# Altium PCB AudioBoxAmpV3-3.PcbDoc (part 2 of 2) (continued)
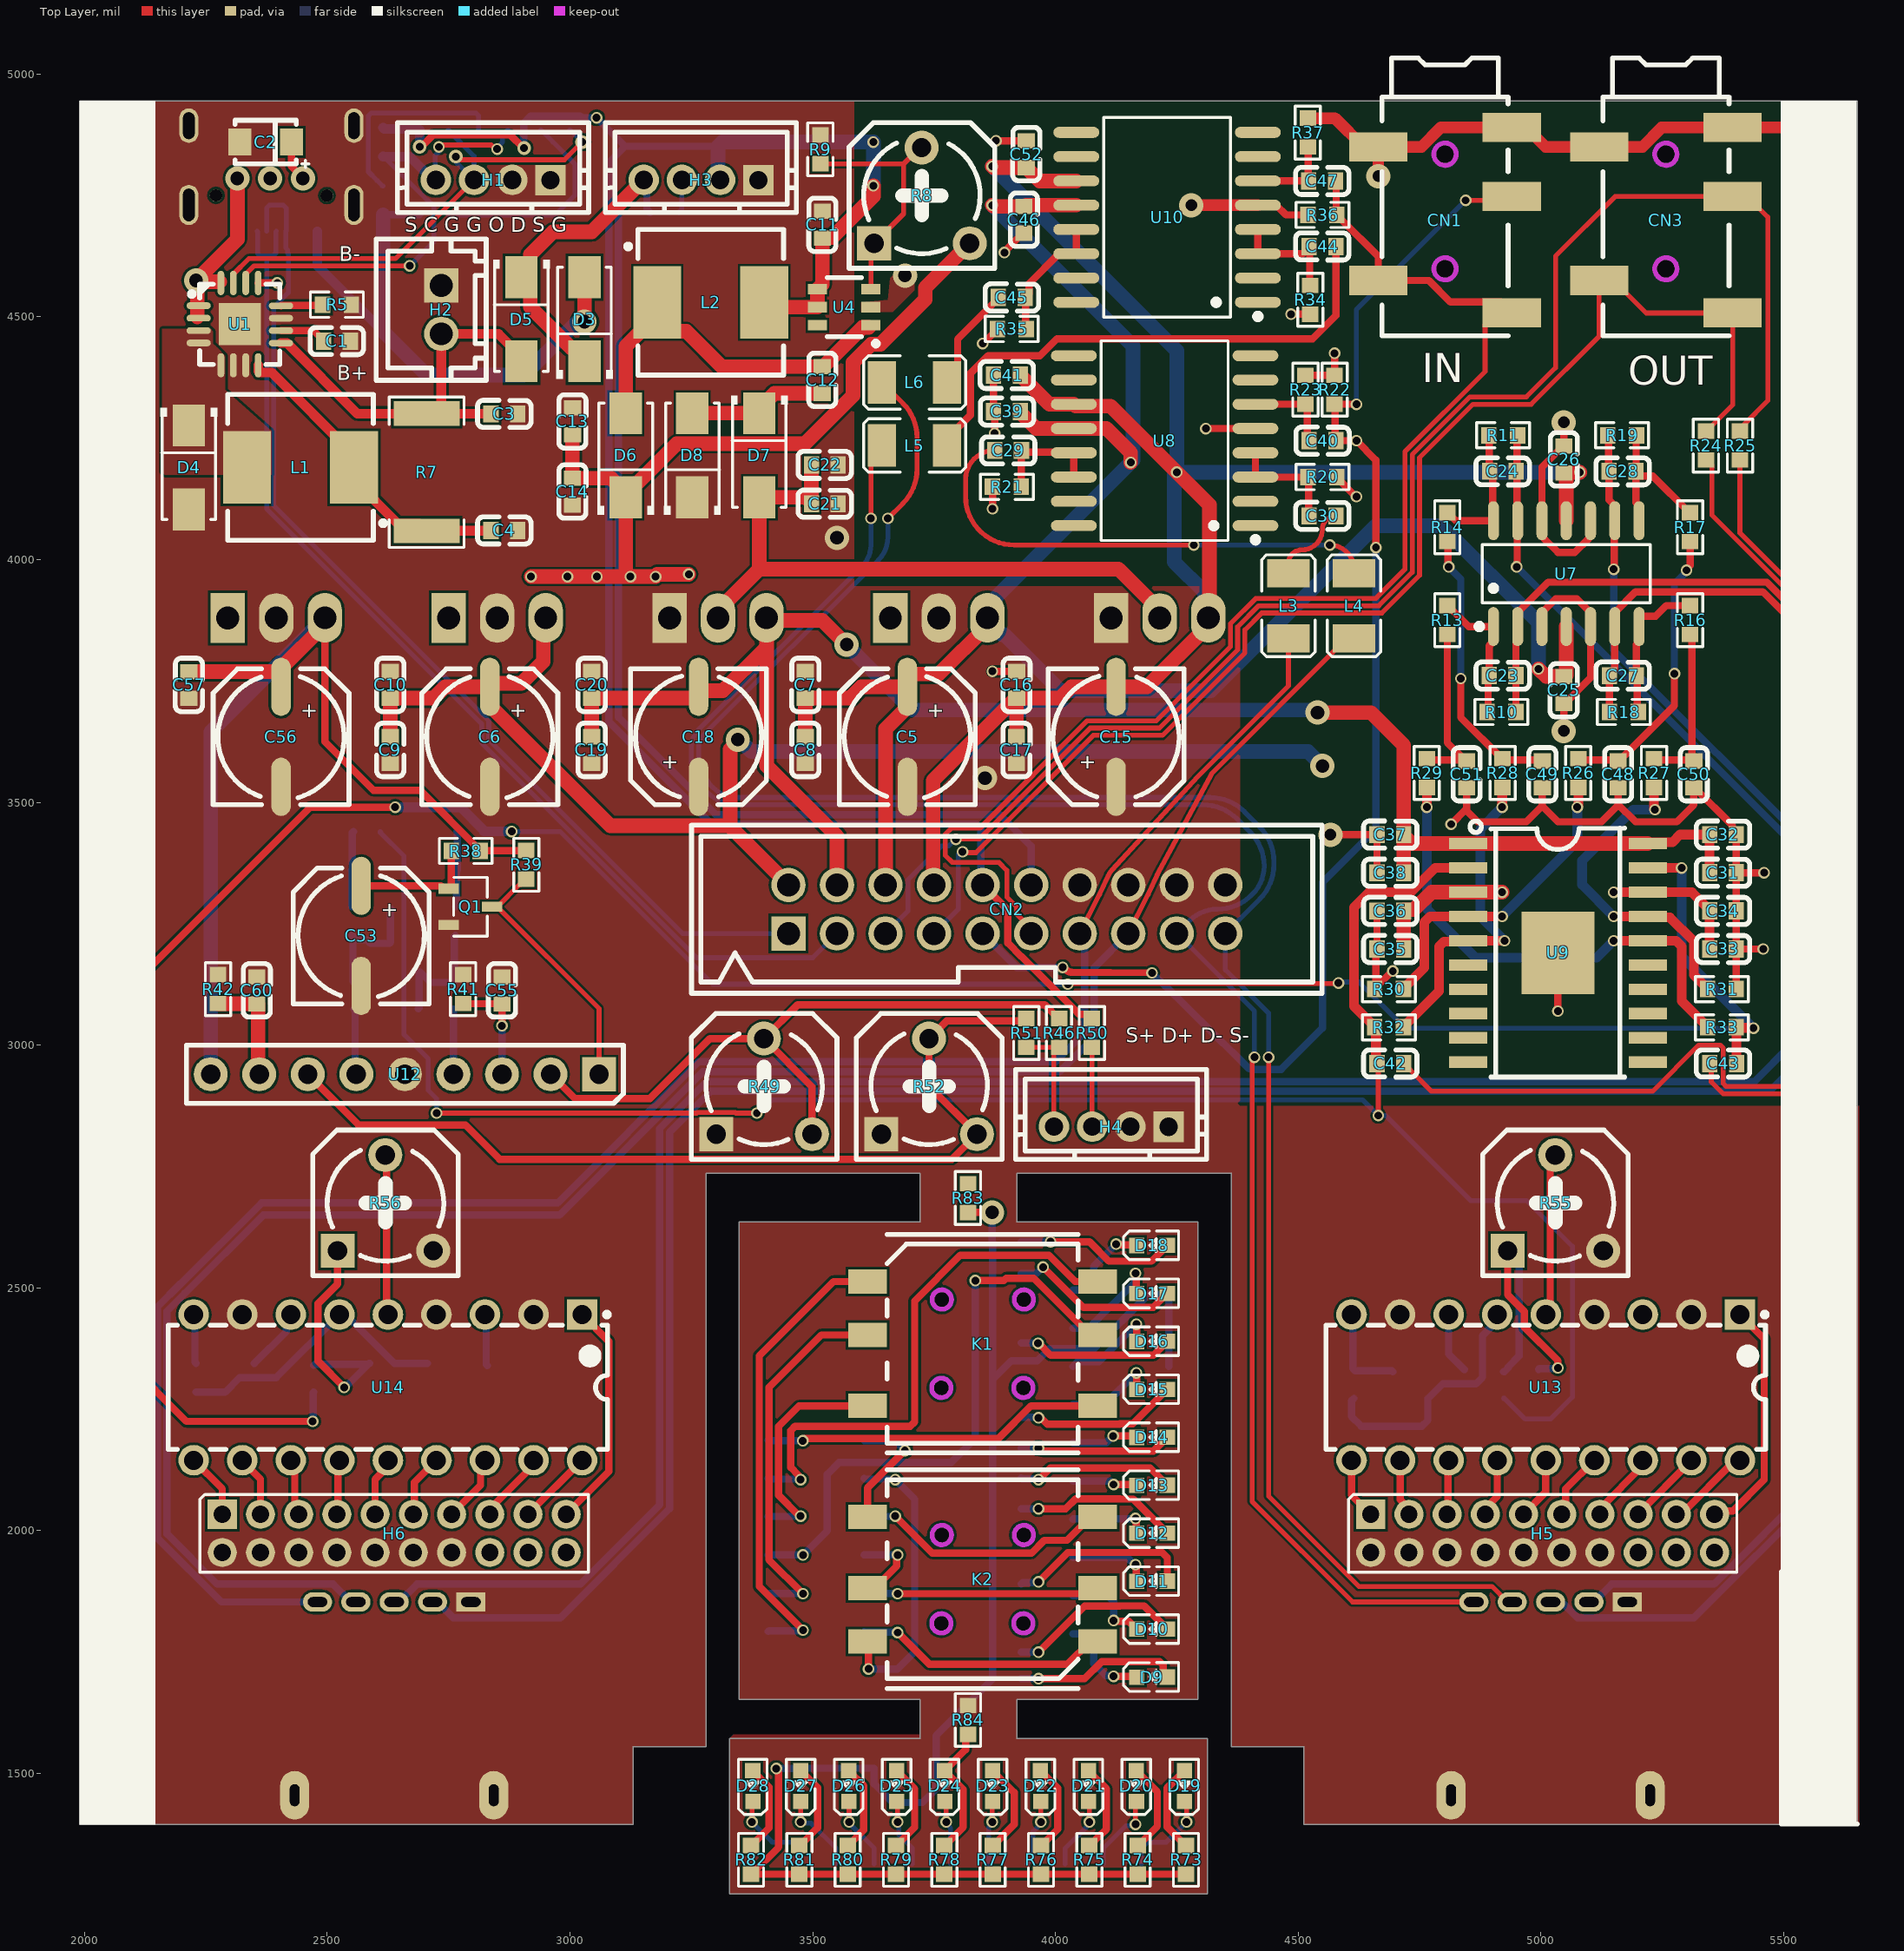
[diagram p0: Top Layer view]
## Nets (pads, with @x,y where several pads share a name; then routed paths per layer and width w, separated by ;. In a path a pad name is that pad's centre, name@x,y a point inside that pad or via, vN(x,y) a via of type N, cw(c..) or ccw(c..) an arc to the next point about the centre after c; other vN are vias at no path point) (continued)
  Bottom Layer w10: v1(3475,1400) 3477.68,1397.32 3496.53,1397.32 3548.05,1345.8 H9.2@3548.05,1313.3
NetD27_2: D27.2 R81.1 | length 184.3
  Top Layer w15: R81.1@3472.56,1351.65 3473.69,1351.65 3510,1387.96 3510,1470.8 D27.2@3475.37,1505.43
NetD28_1: D28.1 H9.1 | length 192.6
  Top Layer w10: v1(3375,1400) 3375,1440.6 D28.1@3376.88,1442.48
  Bottom Layer w10: v1(3375,1400) 3416.7,1358.3 3456.85,1358.3 3469.35,1345.8 H9.1@3469.35,1313.3
NetD28_2: D28.2 R82.1 | length 183.6
  Top Layer w15: R82.1@3373.01,1351.65 3374.14,1351.65 3410,1387.51 3410,1472.03 D28.2@3376.6,1505.43
NetH3_3: H3.3 R6.2 | length 69.8
  Bottom Layer w10: R6.2@3224.14,4714.96 3230.63,4721.45 H3.3@3230.63,4782.09
NetH4_3: H4.3 R50.2 | length 163.5
  Top Layer w10: R50.2@4075,2995.34 4075.63,2994.72 H4.3@4075.63,2832.13
NetH5_1: H5.1 U13.10 | length 127.7
  Top Layer w15: U13.10@4610,2145 4610,2073.23 H5.1@4649.53,2033.7
NetH5_2: H5.2 U13.11 | length 118.9
  Top Layer w15: U13.11@4710,2145 4710,2064.11 4728.23,2045.88 H5.2@4728.23,2033.7
NetH5_3: H5.3 U13.12 | length 112.6
  Top Layer w15: H5.3@4806.93,2033.7 4808.47,2035.23 4808.47,2143.47 U13.12@4810,2145
NetH5_4: H5.4 U13.13 | length 121.4
  Top Layer w15: H5.4@4885.63,2033.7 4885.63,2045.88 4910,2070.24 U13.13@4910,2145
NetH5_5: H5.5 U13.14 | length 130.2
  Top Layer w15: H5.5@4964.33,2033.7 5009.46,2078.83 5009.46,2144.46 U13.14@5010,2145
NetH5_6: H5.6 U13.15 | length 139
  Top Layer w15: H5.6@5043.03,2033.7 5051.2,2041.87 5051.2,2086.2 U13.15@5110,2145
NetH5_7: H5.7 U13.16 | length 147.9
  Top Layer w15: H5.7@5121.73,2033.7 5121.73,2045.22 5210,2133.48 U13.16@5210,2145
NetH5_8: H5.8 U13.17 | length 156.7
  Top Layer w15: H5.8@5200.43,2033.7 5200.43,2034.57 5310,2144.13 U13.17@5310,2145
NetH5_9: H5.9 U13.18 | length 177
  Top Layer w15: H5.9@5279.13,2033.7 5288.92,2033.7 5400.22,2145 U13.18@5410,2145
NetH5_10: H5.10 U13.1 | length 492.4
  Top Layer w15: H5.10@5357.83,2033.7 5364.52,2040.39 5395.39,2040.39 5460,2105 5460,2395 U13.1@5410,2445
NetH6_1: H6.1 U14.10 | length 135.7
  Top Layer w15: U14.10@2225,2145 2283.85,2086.15 H6.1@2283.85,2033.7
NetH6_2: H6.2 U14.11 | length 126.9
  Top Layer w15: U14.11@2325,2145 2325,2143.74 2362.55,2106.19 H6.2@2362.55,2033.7
NetH6_3: H6.3 U14.12 | length 118
  Top Layer w15: U14.12@2425,2145 2433.12,2136.88 2433.12,2041.83 H6.3@2441.25,2033.7
NetH6_4: H6.4 U14.13 | length 113.4
  Top Layer w15: H6.4@2519.95,2033.7 2522.47,2036.22 2522.47,2142.47 U14.13@2525,2145
NetH6_5: H6.5 U14.14 | length 122.2
  Top Layer w15: H6.5@2598.65,2033.7 2598.65,2105.66 2625,2132.01 U14.14@2625,2145
NetH6_6: H6.6 U14.15 | length 131
  Top Layer w15: H6.6@2677.35,2033.7 2679.19,2035.54 2679.19,2099.19 U14.15@2725,2145
NetH6_7: H6.7 U14.16 | length 139.9
  Top Layer w15: H6.7@2756.05,2033.7 2815.82,2093.47 2815.82,2135.82 U14.16@2825,2145
NetH6_8: H6.8 U14.17 | length 148.7
  Top Layer w15: H6.8@2834.75,2033.7 2834.75,2044.22 2925,2134.47 U14.17@2925,2145
NetH6_9: H6.9 U14.18 | length 157.7
  Top Layer w15: H6.9@2913.45,2033.7 2913.57,2033.7 3024.88,2145 U14.18@3025,2145
NetH6_10: H6.10 U14.1 | length 470.5
  Top Layer w15: H6.10@2992.15,2033.7 3080,2121.55 3080,2390 U14.1@3025,2445
NetQ1_3: Q1.3 R39.1 U12.1 | length 525.7
  Top Layer w10: Q1.3@2839.69,3285 Q1.3@2850.28,3285 ; R39.1@2910,3341.82 2899.12,3330.95 2896.23,3330.95 Q1.3@2850.28,3285 ; U12.1@3060,2940 3060,3075.28 Q1.3@2850.28,3285
NetR5_1: R5.1 U1.12 | length 86.5
  Top Layer w15: U1.12@2404.8,4522.8 2405.41,4523.41 2488.76,4523.41 R5.1@2490.34,4525
NetR26_2: R26.2 R30.2 U9.4 | length 651.5
  Top Layer w20: R30.2@4716.85,3115.25 4716.85,3116.38 4760,3159.53 4760,3253.28 4771.72,3265 U9.4@4849.96,3265 v1(4920,3265) ; v1(5075,3490) 5075,3491.08 5077.03,3493.11 R26.2@5077.03,3530.7
  Bottom Layer w20: v1(4920,3265) 5075,3420 v1(5075,3490)
NetR27_2: R27.2 R31.2 U9.17 | length 678.3
  Top Layer w20: v1(5150,3265) U9.17@5220.04,3265 5221.85,3263.19 5265.45,3263.19 5315,3213.64 5315,3144.53 5343.15,3116.38 R31.2@5343.15,3115.25 ; R27.2@5233.05,3530.7 5233.05,3488.04 5235,3486.08 v1(5235,3485)
  Bottom Layer w20: v1(5150,3265) 5085,3330 5085,3380 5190,3485 v1(5235,3485)
NetR28_2: R28.2 R32.2 U9.5 | length 692.2
  Top Layer w20: R32.2@4716.85,3036.67 4716.85,3037.81 4790,3110.95 4790,3203.28 4799.9,3213.19 4848.15,3213.19 U9.5@4849.96,3215 v1(4925,3215) ; v1(4920,3490) 4920.51,3490.51 4920.51,3530.2 R28.2@4921.02,3530.7
  Bottom Layer w20: v1(4920,3490) 4875,3445 4875,3265 v1(4925,3215)
NetR29_2: R29.2 R33.2 U9.16 | length 1025.1
  Top Layer w20: v1(4765,3490) R29.2@4765,3530.7 ; v1(5150,3215) U9.16@5220.04,3215 5278.28,3215 5290,3203.28 5290,3090.96 5343.15,3037.81 R33.2@5343.15,3036.67
  Bottom Layer w20: v1(4765,3490) 4765,3280 4865,3180 5115,3180 v1(5150,3215)
NetR55_3: R55.3 U13.5 | length 336.6
  Top Layer w15: U13.5@5010,2445 5019.18,2454.18 5019.18,2763.18 R55.3@5029.5,2773.5
NetR56_3: R56.3 U14.5 | length 330.8
  Top Layer w15: R56.3@2619.5,2773.5 2622.25,2770.75 2622.25,2447.75 U14.5@2625,2445
NetR57_1: R57.1 R58.1 U13.6 | length 527.9
  Bottom Layer w15: R57.1@4615,2272.54 4610,2267.54 4610,2235 4630,2215 4755,2215 4767,2227 R58.1@4767,2272.54 4768.13,2272.54 4797.72,2302.13 4866.21,2302.13 4879.6,2315.52 4879.6,2401.62 4910,2432.01 U13.6@4910,2445
NetR59_1: R59.1 U13.7 | length 127.5
  Bottom Layer w15: U13.7@4810,2445 4810,2363.72 4841.87,2331.85 R59.1@4843,2331.85
NetR60_1: R60.1 R61.1 U14.6 | length 584.4
  Bottom Layer w15: R60.1@2230,2285.34 2289.93,2285.34 2319.58,2315 2395,2315 U14.6@2525,2445 2537.72,2445 2638.07,2344.66 R61.1@2706.67,2344.66
NetR62_1: R62.1 U14.7 | length 132.4
  Bottom Layer w15: R62.1@2349.17,2344.66 2350.3,2344.66 2415.82,2410.17 2415.82,2435.82 U14.7@2425,2445
PWR_BAT: C3.1 D5.2 H2.2 R7.1 U1.9 | length 872.5
  Top Layer w20: U1.9@2404.8,4446 2416.69,4446 2561.97,4300.72 R7.1@2705,4300.72 ; C3.1@2837.45,4300 2837.09,4300.36 2705.36,4300.36 R7.1@2705,4300.72 ; D5.2@2900,4408.39 2900,4417.93 2852.93,4465 H2.2@2735,4465 2735,4315.97 2719.75,4300.72 R7.1@2705,4300.72
PWR_CHRG_STAT: D1.1 H1.3 R2.1 U1.15 | length 1101.9
  Top Layer w10: U1.15@2306.6,4569.8 2306.6,4587.91 2338.69,4620 2640.43,4620 H1.3@2802.52,4782.09 ; v4(2765,4830) 2771.42,4823.58 2988.58,4823.58 v4(3025,4860)
  Bottom Layer w10: R2.1@2749.66,4885 2749.66,4883.87 2802.52,4831 H1.3@2802.52,4782.09 2802.2,4782.09 v4@2765,4819.28 ; v4(2765,4830) v4@2765,4819.28 ; 2768.96,4815 2765,4818.96 v4@2765,4819.28 ; D1.1@3000,4885 v4(3025,4860)
PWR_DC_FB: R8.1 R8.3 R9.2 U4.3 | length 508.1
  Top Layer w10: R9.2@3515.84,4815.35 3516.19,4815 3687.29,4815 ; U4.3@3620.12,4557.4 3620.12,4645.12 R8.1@3626.5,4651.5 3687.29,4712.29 3687.29,4815 ; R8.3@3724.5,4848.5 3720.79,4848.5 3687.29,4815
PWR_DC_SW: C12.1 D6.2 L2.1 U4.1 | length 768.6
  Top Layer w30: D6.2@3115,4301.61 3115,4439.65 L2.1@3179.76,4504.41 ; L2.1@3179.76,4530 L2.1@3179.76,4504.41 ; U4.1@3615.44,4478.43 3602.63,4478.43 3522.5,4398.3 3520.53,4398.3 C12.1@3519.79,4397.56 3312.21,4397.56 3239.56,4470.2 3213.97,4470.2 L2.1@3179.76,4504.41
PWR_DC_V5+: C5.1 C7.1 C8.1 C25.2 C39.1 C46.1 CN2.6 U2.3 U7.4 U8.12 U10.12 | length 4209
  Top Layer w30: C8.1@3484.79,3635.28 3484.89,3635.39 3484.89,3714.61 C7.1@3485,3714.72 3577.03,3714.72 3600.31,3738 C5.1@3695,3738 ; CN2.6@3650,3330 3650,3651.08 3695,3696.08 C5.1@3695,3738 ; U2.3@3860,3880.2 3860,3864.45 3760,3764.45 3699.62,3764.45 3695,3759.83 C5.1@3695,3738 ; v1(3870,4730) 3872.45,4727.56 C46.1@3935,4727.56 3936.97,4727.56 3939.41,4730 U10.12@4042.98,4730 ; C39.1@3927.55,4305 3927.55,4303.03 3960.59,4270 4105,4270 4155,4220 v1(4155,4200) ; v1(4995,3775) 5010.71,3759.29 5046.65,3759.29 C25.2@5047.23,3758.71 5049.2,3758.71 5052.23,3761.75 U7.4@5052.23,3862.14
  Bottom Layer w30: v1(3870,4730) 4160,4440 4160,4205 v1(4155,4200) 3860,3905 3860,3875.51 3890.06,3845.45 3894.75,3845.45 4010.2,3730 4320,3730 4660,4070 4795,4070 4995,3870 v1(4995,3775)
PWR_DC_V5-: C15.2 C16.1 C17.1 C26.2 C41.2 C52.2 CN2.8 U5.3 U7.11 U8.11 U10.11 | length 3999.2
  Top Layer w30: CN2.8@3750,3330 3748,3332 3748,3544.69 3918.03,3714.72 C16.1@3920,3714.72 ; v1(3870,4810) 3872.55,4807.44 C52.2@3940,4807.44 3941.97,4807.44 3942.72,4806.7 3942.72,4804.73 3967.45,4780 U10.11@4042.98,4780 ; C17.1@3919.79,3635.28 3919.89,3635.39 3919.89,3714.61 C16.1@3920,3714.72 ; C41.2@3927.55,4380 3927.55,4378.03 3928.3,4377.28 3930.27,4377.28 3987.55,4320 U8.11@4037.98,4320 4041.68,4316.3 4113.7,4316.3 v1(4250,4180) 4317,4113 4317,3882.2 U5.3@4315,3880.2 ; U5.3@4315,3864.45 4188.55,3738 C15.2@4125,3738 4032.81,3738 4009.53,3714.72 C16.1@3920,3714.72 ; U7.11@5052.23,4080.17 5052.23,4173.6 5049.95,4175.89 5049.95,4177.86 5049.2,4178.6 C26.2@5047.23,4178.6 5047.98,4179.35 5079.35,4179.35 v1(5080,4180)
  Bottom Layer w30: v1(3870,4810) 4250,4430 v1(4250,4180) ; U5.3@4315,3880.2 4307.18,3888.02 4307.18,3932.82 4245,3995 4245,4175 v1(4250,4180) ; v1(5080,4180) v1(4250,4180)
PWR_DC_VHN: C21.1 C22.1 D7.2 U5.2 U6.2 | length 1351.9
  Top Layer w30: U6.2@3305,3879.8 3305,3895.55 3390,3980.55 ; C21.1@3497.45,4115 C21.1@3497.45,4116.97 ; C22.1@3497.45,4195 C21.1@3497.45,4116.97 ; U5.2@4215,3879.8 4215,3895.55 4130,3980.55 3390,3980.55 ; 3390,3980.55 D7.2@3390,4128.39 3486.03,4128.39 C21.1@3497.45,4116.97
PWR_DC_VHP: C13.1 C14.1 D6.1 R8.2 U2.1 U3.1 U11.1 | length 1688.7
  Top Layer w30: v1(2920,3965) v1(2995,3965) v1(3055.5,3965) 3060,3965 v1@3115,3965 ; C13.1@3005.21,4257.44 3005.11,4257.34 3005.11,4167.66 C14.1@3005,4167.56 3085.38,4167.56 D6.1@3115,4137.93 ; v1@3175,3965 3179.82,3969.82 v1(3244.82,3969.82) ; v1(3176.39,3965) v1(3124.5,3965) v1@3115,3965 ; R8.2@3823.5,4651.5 3731.97,4559.97 3731.97,4535.66 3639.74,4443.43 3620.38,4443.43 3583.09,4406.13 3583.09,4338.09 3483.6,4238.6 3219.82,4238.6 3137.61,4156.4 3133.46,4156.4 D6.1@3115,4137.93 ; v1@3115,3965 D6.1@3115,4128.39 D6.1@3115,4137.93
PWR_STDBY_STAT: D2.1 H1.4 R4.1 U1.14 | length 1026.2
  Top Layer w10: U1.14@2332.2,4569.8 2332.2,4587.91 2349.29,4605 v1(2670,4605) ; v1(2730,4850) 2734,4854 2837.79,4854 2846.21,4845.58 v1(2850,4845.58)
  Bottom Layer w10: R4.1@2616.48,4830 2705.89,4740.59 2706.78,4740.59 2720,4727.37 2720,4655 v1(2670,4605) ; H1.4@2723.78,4782.09 2722.42,4783.44 2722.42,4832.42 2730,4840 v1(2730,4850) ; v1(2850,4845.58) 2850,4849.37 2861.2,4860.57 2861.2,4874 D2.1@2872.2,4885
  Bottom Layer w20: R4.1@2615,4830.35 2615.34,4830 2616.48,4830 2670,4830 2717.91,4782.09 H1.4@2723.78,4782.09
PWR_USB_DM: CN2.3 USB1.A7 USB1.B7 | length 2255.5
  Bottom Layer w10: USB1.B7@2355.47,4676.12 2356.38,4675.21 2356.38,4630.86 2362.24,4625 2375.16,4625 ; USB1.A7@2394.84,4676.12 2393.94,4675.21 2393.94,4630.86 2388.08,4625 2375.16,4625 ; CN2.3@3550,3230 3500,3180 3260.76,3180 2817.96,3622.8 2817.96,3662.04 2375.16,4104.84 2375.16,4625
PWR_USB_DP: CN2.1 USB1.A6 USB1.B6 | length 2169
  Bottom Layer w10: USB1.A6@2375.16,4676.12 2375.16,4724.14 2381.01,4730 2409.57,4730 2415.43,4724.14 2415.43,4677.02 USB1.B6@2414.53,4676.12 2414.53,4642.02 2418.31,4638.24 2418.31,4631.98 2420,4630.28 2420,4550 2390.16,4520.16 2390.16,4111.06 2832.96,3668.26 2832.96,3629.01 3231.97,3230 CN2.1@3450,3230
PWR_VIN: C2.1 D3.2 R1.2 R3.2 U1.1 U1.2 U1.13 U1.16 USB1.A4B9 USB1.B4A9 | length 1658.9
  Top Layer w15: U1.13@2357.8,4569.8 2357.9,4569.9 2397.06,4569.9 v1(2397.16,4570) ; C2.1@2426.38,4860 2426.38,4809.95 2450,4786.33 v2(2450,4785)
  Top Layer w30: U1.2@2232.6,4500 v2@2232.6,4572.4 ; U1.16@2278.4,4572.4 v2@2232.6,4572.4 ; v2(2315,4785) 2315,4660 v2(2230,4575) v2@2232.6,4572.4 ; v2(3030,4490) D3.2@3030,4581.61
  Bottom Layer w15: R3.2@2615,4710.35 2615.17,4710.17 2690.17,4710.17 R1.2@2690.34,4710
  Bottom Layer w20: USB1.B4A9@2479.49,4676.12 2479.49,4605.51 2615,4470
  Bottom Layer w30: R3.2@2615,4710.35 2615,4470 2705,4380 2905,4380 3015,4490 v2(3030,4490)
  other v2: 2382.5,4785
PWR_VOUT: CN2.12 D3.1 D5.1 H3.4 R6.1 | length 2824.9
  Top Layer w30: D3.1@3030,4408.39 3030,4417.93 3011.54,4436.4 3001.99,4436.4 2918.46,4519.92 2918.46,4563.15 D5.1@2900,4581.61 2918.46,4600.08 2918.46,4628.46 2965,4675 3044.8,4675 H3.4@3151.89,4782.09
  Bottom Layer w15: R6.1@3164.83,4714.96 3158.36,4721.43 3158.36,4775.62 H3.4@3151.89,4782.09 3100,4730.2 3100,3675.25 3300.25,3475 3885,3475 3950,3410 CN2.12@3950,3330
PWR_VSYS: C11.1 CN2.10 H3.2 L2.2 R2.2 R4.2 R50.1 U4.4 U4.5 | length 4292.3
  Top Layer w15: v4(2690.51,4850.51) 2694.02,4850.51 2718.02,4874.5 2877.12,4874.5 2904.04,4847.58 v4(2905.47,4847.58) ; CN2.10@3850,3330 3902.07,3277.93 3902.07,3210.15 3930.15,3182.07 3930.65,3182.07 4037.01,3075.71 4037.01,3075.2 4049.18,3063.03 4066.62,3063.03 R50.1@4075,3054.66
  Top Layer w30: L2.2@3400.22,4530 3410.22,4520 U4.5@3509.88,4520 U4.4@3509.88,4557.4 3510.39,4557.4 3520,4567.01 C11.1@3520,4662.44 3520.75,4663.19 3539.91,4663.19 3625,4748.28 v1(3625,4770)
  Bottom Layer w15: v4(2905.47,4847.58) 2905,4848.05 2905,4899.68 2918.82,4913.5 3021.18,4913.5 3024.68,4910 v1(3055,4910) 3113.79,4851.21 ; 3305,4851.21 3113.79,4851.21 ; CN2.10@3850,3330 3846.72,3333.28 3846.72,3446.21 3837.93,3455 3291.97,3455 3080,3666.97 3080,4817.43 3113.79,4851.21
  Bottom Layer w20: R4.2@2615,4889.65 2617.33,4887.33 2688.02,4887.33 R2.2@2690.34,4885 2690.43,4884.92 2690.43,4850.59 v4(2690.51,4850.51)
  Bottom Layer w30: H3.2@3309.37,4782.09 3305,4786.46 3305,4851.21 3313.79,4860 v1(3625,4860) v1(3625,4770)
VU_12V: C56.1 C57.1 C66.1 C67.1 H5.11 H5.12 H5.13 H6.11 H6.12 H6.13 R38.1 R39.2 R57.2 R60.2 R83.1 U11.3 U12.9 U13.3 U13.9 U14.3 U14.9 | length 2552.7
  Top Layer w15: U11.3@2495,3866.22 2495,3625 2595,3525 2691.13,3525 2815,3401.13 R38.1@2815,3400 2815.57,3400.57 2909.43,3400.57 R39.2@2910,3401.13
  Top Layer w30: C57.1@2215,3769.22 2400.38,3769.22 C56.1@2405,3764.6 ; C56.1@2405,3738 C56.1@2405,3764.6 ; U11.3@2495,3866.22 2405,3776.22 C56.1@2405,3764.6
  Bottom Layer w15: U14.9@2225,2445 2227.5,2442.5 2227.5,2347.16 R60.2@2230,2344.66 ; U14.3@2825,2445 2827.5,2442.5 2827.5,2342.25 C66.1@2830,2339.75 ; U13.9@4610,2445 4612.5,2442.5 4612.5,2334.35 R57.2@4615,2331.85 4617.45,2329.4 4692.71,2329.4 C67.1@4695.16,2326.95
  Bottom Layer w30: U12.9@2260,2940 2260,3645.2 U11.3@2495,3880.2
VU_LED_LSIG: C64.2 R53.2 R55.1 | length 598.8
  Top Layer w15: R55.1@4931.5,2576.5 4931.5,2485.72 4966,2451.22 4966,2419 5035.07,2349.93 v1(5035.07,2335.07)
  Bottom Layer w15: C64.2@4922.95,2327.55 4924.91,2327.55 4933.16,2335.8 4933.16,2337.77 4955,2359.61 4955,2553 R55.1@4931.5,2576.5 ; R53.2@4995,2331.85 4996.58,2333.42 5033.42,2333.42 v1(5035.07,2335.07)
VU_LED_RSIG: C65.2 R54.2 R56.1 | length 506.5
  Top Layer w15: R56.1@2521.5,2576.5 2521.5,2508.14 2481,2467.64 2481,2349 v1(2535,2295)
  Bottom Layer w15: C65.2@2472.28,2340.36 2474.43,2342.51 R54.2@2584.23,2342.51 ; v1(2535,2295) 2536.72,2295 R54.2@2584.23,2342.51 ; R54.2@2587.5,2344.66 2586.37,2344.66 R54.2@2584.23,2342.51
VU_LSIG: C59.2 R45.2 R48.2 | length 157.2
  Bottom Layer w15: R48.2@2550.84,3285.08 2550.28,3285.64 2550.28,3359.43 R45.2@2549.71,3360 2551.86,3362.15 2551.86,3437.85 C59.2@2554,3440
VU_LVUOUT: R51.2 R52.2 R52.3 U12.7 | length 1933.7
  Top Layer w15: U12.7@2460,2940 2564.5,2835.5 2784.5,2835.5 2855,2765 3787,2765 R52.2@3838.5,2816.5 3739.5,2915.5 R52.3@3739.5,3013.5 3776,3050 3935.34,3050 R51.2@3940,3054.66
  Bottom Layer w15: R52.2@3834.35,2812.35 R52.2@3838.5,2816.5
VU_OUT: H4.4 R46.1 R51.1 | length 236.6
  Top Layer w10: R51.1@3940,2995.34 R46.1@4007.5,2995.34 3996.89,2984.74 H4.4@3996.89,2832.13 H4.4@3995.39,2832.13
VU_RSIG: C54.2 R40.2 R43.2 | length 157
  Bottom Layer w15: R43.2@2763.95,3285.08 2766.05,3287.18 2766.05,3357.9 R40.2@2768.15,3360 2767.8,3360.35 2767.8,3439.65 C54.2@2767.45,3440
VU_RVUOUT: R46.2 R49.2 R49.3 U12.2 | length 1397.9
  Top Layer w15: U12.2@2960,2940 3010,2890 3165,2890 3288.5,3013.5 R49.3@3399.5,3013.5 ; R49.2@3498.5,2816.5 3498.5,2914.5 R49.3@3399.5,3013.5 ; R46.2@4007.5,3054.66 4006.37,3054.66 3977.99,3083.03 3469.03,3083.03 R49.3@3399.5,3013.5
pads on no net: R84.2 U4.6 U8.1 U8.2 U8.7 U8.8 U8.9 U8.10 U8.15 U8.16 U9.6 U9.7 U9.8 U9.9 U9.10 U9.11 U9.12 U9.13 U9.14 U9.15 U10.1 U10.2 U10.7 U10.8 U10.9 U10.10 U10.15 U10.16 USB1. USB1.A5 USB1.A8 USB1.B5 USB1.B8
copper on no net: | length 7.1
  Top Layer w15: 3815,1575.35 3818.51,1578.86 3820,1580.35

## Polygon pours and split planes (outlines as drawn)
no net on Top Overlay "NONET_L-01_P-001" (solid): 1990,4945 2146,4945 2146,1395 1990,1395
no net on Top Overlay "NONET_L-01_P-001" (solid): 5494,4945 5650,4945 5650,1395 5494,1395
no net on Bottom Overlay "NONET_L-01_P-001" (solid): 5494,4945 5650,4945 5650,1395 5494,1395
no net on Bottom Overlay "NONET_L-01_P-001" (solid): 1990,4945 2146,4945 2146,1395 1990,1395
GND on Top Layer "NONET_L-01_P-001" (solid, pour order 7): 1990,4945 3585,4945 3585,3945 4380,3945 4380,2885 4375,2880 4380,2875 5655,2875 5655,1398 5652,1395 4512,1395 4512,1555 4362,1555 4362,2736 3921,2736 3921,2636 4293.5,2636 4293.5,1652 3921,1652 3921,1572 4313,1572 4313,1252 3329,1252 3329,1572 3337,1580 3720,1580 3720,1651 3721,1652 3348.5,1652 3348.5,2636 3721,2636 3721,2736 3280,2736 3280,1555 3130,1555 3130,1395 1990,1395
GND on Top Layer "NONET_L-01_P-001" (solid, pour order 8): 3600,4530 3655,4535 3660,4580 3680,4600 3710,4600 3710,4555 3665,4510 3600,4510
NetD4_1 on Top Layer "NONET_L-01_P-001" (solid, pour order 2): 2160,4475 2260,4475 2265,4470 2265,4445 2290,4420 2290,4350 2300,4340 2385,4265 2385,4175 2165,4175 2160,4180
GND on Bottom Layer "NONET_L-01_P-001" (solid, pour order 6): 1990,4945 3585,4945 3585,3945 4380,3945 4380,2885 4375,2880 4380,2875 5655,2875 5655,1398 5652,1395 4512,1395 4512,1555 4362,1555 4362,2736 3921,2736 3921,2636 4293.5,2636 4293.5,1652 3921,1652 3921,1572 4313,1572 4313,1252 3329,1252 3329,1572 3337,1580 3720,1580 3720,1651 3721,1652 3348.5,1652 3348.5,2636 3721,2636 3721,2736 3280,2736 3280,1555 3130,1555 3130,1395 1990,1395
PWR_VIN on Bottom Layer "NONET_L-01_P-001" (solid, pour order 1): 2280,4810 2280,4675 2490,4675 2490,4810
GND on GND-2 (split plane): 5631.9,1415.1 4532.1,1415.1 4532.1,1555 4531.71,1558.92 4530.57,1562.69 4528.71,1566.17 4526.21,1569.21 4523.17,1571.71 4519.69,1573.57 4515.92,1574.71 4512,1575.1 4382.1,1575.1 4382.1,2736 4381.71,2739.92 4380.57,2743.69 4378.71,2747.17 4376.21,2750.21 4373.17,2752.71 4369.69,2754.57 4365.92,2755.71 4362,2756.1 3921,2756.1 3917.08,2755.71 3913.31,2754.57 3909.83,2752.71 3906.79,2750.21 3904.29,2747.17 3902.43,2743.69 3901.29,2739.92 3900.9,2736 3900.9,2636 3901.29,2632.08 3902.43,2628.31 3904.29,2624.83 3906.79,2621.79 3909.83,2619.29 3913.31,2617.43 3917.08,2616.29 3921,2615.9 4273.4,2615.9 4273.4,1672.1 3921,1672.1 3917.08,1671.71 3913.31,1670.57 3909.83,1668.71 3906.79,1666.21 3904.29,1663.17 3902.43,1659.69 3901.29,1655.92 3900.9,1652 3900.9,1572 3901.29,1568.08 3902.43,1564.31 3904.29,1560.83 3906.79,1557.79 3909.83,1555.29 3913.31,1553.43 3917.08,1552.29 3921,1551.9 4292.9,1551.9 4292.9,1272.1 3349.1,1272.1 3349.1,1551.9 3721,1551.9 3724.92,1552.29 3728.69,1553.43 3732.17,1555.29 3735.21,1557.79 3737.71,1560.83 3739.57,1564.31 3740.71,1568.08 3741.1,1572 3741.1,1652 3740.71,1655.92 3739.57,1659.69 3737.71,1663.17 3735.21,1666.21 3732.17,1668.71 3728.69,1670.57 3724.92,1671.71 3721,1672.1 3368.6,1672.1 3368.6,2615.9 3721,2615.9 3724.92,2616.29 3728.69,2617.43 3732.17,2619.29 3735.21,2621.79 3737.71,2624.83 3739.57,2628.31 3740.71,2632.08 3741.1,2636 3741.1,2736 3740.71,2739.92 3739.57,2743.69 3737.71,2747.17 3735.21,2750.21 3732.17,2752.71 3728.69,2754.57 3724.92,2755.71 3721,2756.1 3280,2756.1 3276.08,2755.71 3272.31,2754.57 3268.83,2752.71 3265.79,2750.21 3263.29,2747.17 3261.43,2743.69 3260.29,2739.92 3259.9,2736 3259.9,1575.1 3130,1575.1 3126.08,1574.71 3122.31,1573.57 3118.83,1571.71 3115.79,1569.21 3113.29,1566.17 3111.43,1562.69 3110.29,1558.92 3109.9,1555 3109.9,1415.1 2010.1,1415.1 2010.1,4924.9 5631.9,4924.9
no net on VCC-3 (split plane): 5631.9,3640.1 4480,3640.1 4478.05,3639.71 4476.4,3638.6 4475.29,3636.95 4474.9,3635 4474.9,3020.1 2010.1,3020.1 2010.1,3809.9 4390,3809.9 4391.95,3810.29 4393.6,3811.4 4394.71,3813.05 4395.1,3815 4395.1,4007.41 4394.71,4009.36 4393.6,4011.01 4391.01,4013.6 4389.36,4014.71 4387.41,4015.1 3680.1,4015.1 3680.1,4589.9 3875,4589.9 3876.95,4590.29 3878.6,4591.4 3883.6,4596.4 3884.71,4598.05 3885.1,4600 3885.1,4924.9 5631.9,4924.9
PWR_VIN on VCC-3 (split plane): 3454.9,4015.1 2010.1,4015.1 2010.1,4924.9 3454.9,4924.9
PWR_DC_VHP on VCC-3 (split plane): 4384.9,3820.1 2010.1,3820.1 2010.1,4002.89 2012.11,4004.9 4384.9,4004.9
no net on VCC-3 (split plane): 3900.9,2636 3901.29,2632.08 3902.43,2628.31 3904.29,2624.83 3906.79,2621.79 3909.83,2619.29 3913.31,2617.43 3917.08,2616.29 3921,2615.9 4273.4,2615.9 4273.4,1672.1 3921,1672.1 3917.08,1671.71 3913.31,1670.57 3909.83,1668.71 3906.79,1666.21 3904.29,1663.17 3902.43,1659.69 3901.29,1655.92 3900.9,1652 3900.9,1572 3901.29,1568.08 3902.43,1564.31 3904.29,1560.83 3906.79,1557.79 3909.83,1555.29 3913.31,1553.43 3917.08,1552.29 3921,1551.9 4292.9,1551.9 4292.9,1272.1 3349.1,1272.1 3349.1,1551.9 3721,1551.9 3724.92,1552.29 3728.69,1553.43 3732.17,1555.29 3735.21,1557.79 3737.71,1560.83 3739.57,1564.31 3740.71,1568.08 3741.1,1572 3741.1,1652 3740.71,1655.92 3739.57,1659.69 3737.71,1663.17 3735.21,1666.21 3732.17,1668.71 3728.69,1670.57 3724.92,1671.71 3721,1672.1 3368.6,1672.1 3368.6,2615.9 3721,2615.9 3724.92,2616.29 3728.69,2617.43 3732.17,2619.29 3735.21,2621.79 3737.71,2624.83 3739.57,2628.31 3740.71,2632.08 3741.1,2636 3741.1,2729.9 3900.9,2729.9
VU_12V on VCC-3 (split plane): 4472.4,2869.61 4471.4,2868.6 4470.29,2866.95 4469.9,2865 4470.29,2863.05 4471.4,2861.4 4472.79,2860.47 4472.79,2860.45 4473.9,2858.8 4475.55,2857.69 4477.5,2857.3 4479.45,2857.69 4481.1,2858.8 4482.21,2859.9 5631.9,2859.9 5631.9,1415.1 4532.1,1415.1 4532.1,1555 4531.71,1558.92 4530.57,1562.69 4528.71,1566.17 4526.21,1569.21 4523.17,1571.71 4519.69,1573.57 4515.92,1574.71 4512,1575.1 4382.1,1575.1 4382.1,2736 4381.71,2739.92 4380.57,2743.69 4378.71,2747.17 4376.21,2750.21 4373.17,2752.71 4369.69,2754.57 4365.92,2755.71 4362,2756.1 3921,2756.1 3917.08,2755.71 3913.31,2754.57 3909.83,2752.71 3906.79,2750.21 3904.29,2747.17 3902.43,2743.69 3901.34,2740.1 3740.66,2740.1 3739.57,2743.69 3737.71,2747.17 3735.21,2750.21 3732.17,2752.71 3728.69,2754.57 3724.92,2755.71 3721,2756.1 3280,2756.1 3276.08,2755.71 3272.31,2754.57 3268.83,2752.71 3265.79,2750.21 3263.29,2747.17 3261.43,2743.69 3260.29,2739.92 3259.9,2736 3259.9,1575.1 3130,1575.1 3126.08,1574.71 3122.31,1573.57 3118.83,1571.71 3115.79,1569.21 3113.29,1566.17 3111.43,1562.69 3110.29,1558.92 3109.9,1555 3109.9,1415.1 2010.1,1415.1 2010.1,3009.9 4472.4,3009.9
PWR_VSYS on VCC-3 (split plane): 3874.9,4602.11 3872.89,4600.1 3675,4600.1 3673.05,4599.71 3671.4,4598.6 3670.29,4596.95 3669.9,4595 3669.9,4015.1 3465.1,4015.1 3465.1,4924.9 3874.9,4924.9
A_VLB12V+ on VCC-3 (split plane): 5631.9,2870.1 4485.1,2870.1 4485.1,3629.9 5631.9,3629.9

## Other copper
VCC-3 (plane layer: these items are gaps in the copper):
  lines w10: 1985,1410 1990,1405 3125,1405 3130,1410 3130,1560 3275,1560 3275,2730 3280,2735 4355,2735 4360,2730 4360,1555 4505,1555 4510,1550 4510,1400 4515,1395 5650,1395 5650,2855 5660,2865 ; 1985,3015 4480,3015 4477.5,3012.5 4477.5,2862.4 4480.1,2865 5660,2865 ; 1990,4945 1990,3990 ; 3455,4945 3460,4950 ; 3460,4015 3460,4950 ; 1990,3990 1990,3815 4390,3815 4390,4007.41 4387.41,4010 3455,4010 ; 1990,3990 2010,4010 3455,4010 ; 3455,4010 3675,4010 3675,4595 3875,4595 3880,4600 3880,4940 3870,4950 3460,4950 ; 5660,2865 4475,2865 4480,2870 4480,3635 5660,3635 5660,2865

## Silkscreen, mask and mechanical layers (free items; w line width, h text height)
Top Overlay:
  lines w10: 5495.68,1915.36 5495.68,1395.36 5651.68,1395.36
  text "S C G G O D S G" at 2660,4675 h30
  text "B-" at 2525,4615 h30
  text "B+" at 2520,4370 h30
  text "IN" at 4755,4365 h60
  text "OUT" at 5180,4360 h60
  text "S+ D+ D- S-" at 4145,3005 h30
Bottom Overlay:
  text "AudioBoxAmp MainBoard V0.4 / Power By Levent / 2022-07.04" at 5090,2765 h150 r270
  text "禁止 / 受力" at 3865,2650 h50
  text "禁止 / 受力" at 3865,1570 h50
Mechanical 1:
  lines w10: 1990,1395 1990,4945 5652,4945 5652,1395 4512,1395 4512,1555 4362,1555 4362,2736 4293.5,2736 3921,2736 3921,2636 4293.5,2636 4293.5,1652 3921,1652 3921,1572 4313,1572 4313,1252 3329,1252 3329,1572 3721,1572 3721,1652 3348.5,1652 3348.5,2636 3721,2636 3721,2736 3348.5,2736 3280,2736 3280,1555 3130,1555 3130,1395 1990,1395

## Text inside footprints (layer, text, board x,y; h text height)
C5: Top Overlay "+" at 3740,3705 h30 r270
C6: Top Overlay "+" at 2880,3705 h30 r270
C15: Top Overlay "+" at 4080,3565 h30 r90
C18: Top Overlay "+" at 3220,3565 h30 r90
C53: Top Overlay "+" at 2615,3295 h30 r270
C56: Top Overlay "+" at 2450,3705 h30 r270
U2: Bottom Overlay "HOT" at 3680,4240 h60 r180
U3: Bottom Overlay "HOT" at 2770,4240 h60 r180
U5: Bottom Overlay "HOT" at 4135,4240 h60 r180
U6: Bottom Overlay "HOT" at 3225,4240 h60 r180
U11: Bottom Overlay "HOT" at 2315,4240 h60 r180